# KiCad board Pokemon Devboard.kicad_pcb
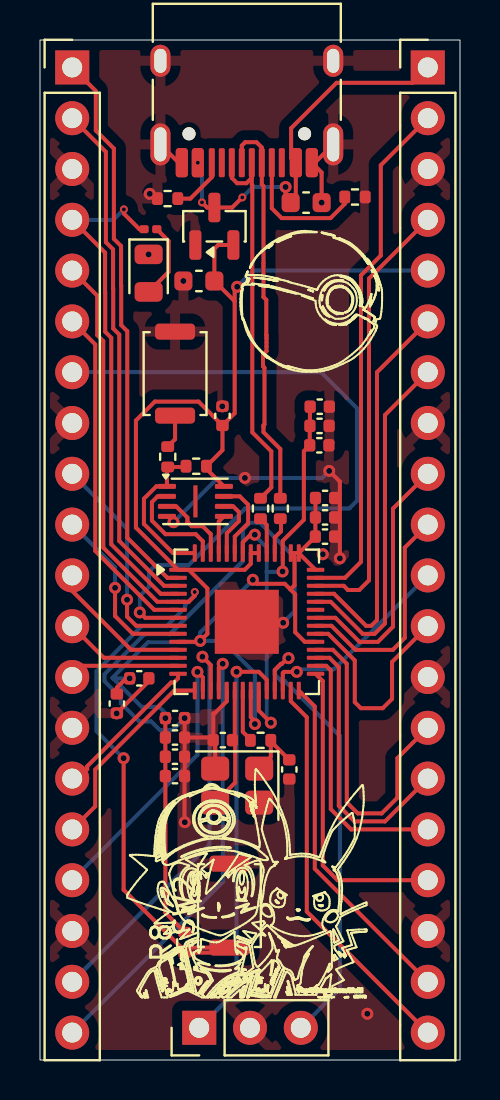
[diagram p0: board, top side]
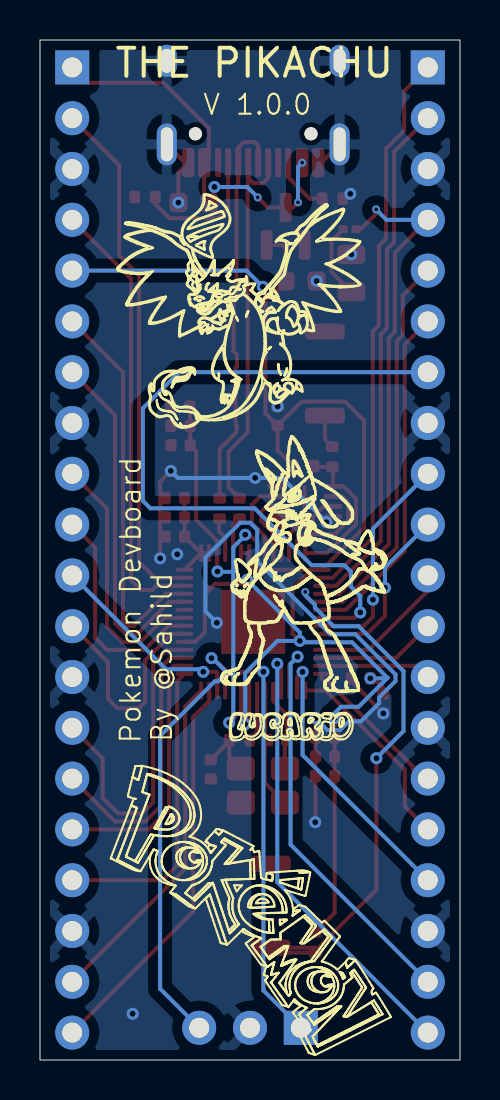
[diagram p1: board, bottom side, seen from below]

Outline 21 x 51 mm; copper layers: Top, Bottom. Coordinates in mm from the lower left corner of the outline.
Outline path: rectangle 0,51 21,0

## Placement (name value [footprint] x y rotation side)
C1  0.1uF  [C_0402_1005Metric]  6.75 16.12 0 top
C2  0.1uF  [C_0402_1005Metric]  6.75 14.19 0 top
C3  0.1uF  [C_0402_1005Metric]  4.96 19.08 0 top
C4  0.1uF  [C_0402_1005Metric]  14.25 27.13 0 top
C5  0.1uF  [C_0402_1005Metric]  3.84 17.82 270 top
C6  0.1uF  [C_0402_1005Metric]  14.25 26.17 0 top
C7  0.1uF  [C_0402_1005Metric]  6.75 17.09 0 top
C8  0.1uF  [C_0402_1005Metric]  14.25 28.1 0 top
C9  1uF  [C_0402_1005Metric]  6.75 15.16 0 top
C10  1uF  [C_0402_1005Metric]  13.98 31.71 0 top
C11  0.1uF  [C_0402_1005Metric]  13.99 32.67 0 top
C12  0.1uF  [C_0402_1005Metric]  13.97 30.74 0 top
C13  10uF  [C_0603_1608Metric]  13.31 42.87 0 top
C14  10uF  [C_0603_1608Metric]  7.94 38.95 180 top
C15  33pF  [C_0402_1005Metric]  9.14 15.99 0 top
C16  33pF  [C_0402_1005Metric]  12.46 14.53 90 top
C17  0.1uF  [C_0402_1005Metric]  9.12 32.2 90 top
D1  LED  [LED_0805_2012Metric]  5.43 39.34 270 top
J1  USB_C_Receptacle_USB2.0_14P  [USB_C_Receptacle_HRO_TYPE-C-31-M-12]  10.34 48.91 180 top
J2  LEFT_CONN  [PinHeader_1x20_P2.54mm_Vertical]  1.61 49.63 0 top
J3  RIGHT_CONN  [PinHeader_1x20_P2.54mm_Vertical]  19.39 49.63 0 top
J5  DEBUG_CONN  [PinHeader_1x03_P2.54mm_Vertical]  7.96 1.61 90 top
R1  5.1K  [R_0402_1005Metric]  15.75 43.15 0 top
R2  5.1K  [R_0402_1005Metric]  6.38 43.07 180 top
R3  27  [R_0402_1005Metric]  12.01 27.58 90 top
R4  27  [R_0402_1005Metric]  11.03 27.58 90 top
R5  1K  [R_0402_1005Metric]  11.03 15.98 180 top
R6  10K  [R_0402_1005Metric]  7.81 29.69 0 top
R7  1K  [R_0402_1005Metric]  6.39 30.16 90 top
R8  10K  [R_0402_1005Metric]  7.24 5.88 90 top
R9  220  [R_0201_0603Metric]  5.52 41.54 180 top
SW1  SW_Push  [SW_Push_SPST_NO_Alps_SKRK]  6.75 34.32 270 top
SW2  SW_Push  [SW_Push_SPST_NO_Alps_SKRK]  9.47 7.72 90 top
U1  RP2040  [QFN-56-1EP_7x7mm_P0.4mm_EP3.2x3.2mm]  10.34 21.91 0 top
U2  MCP1700x-330xxTT  [SOT-23]  8.72 41.69 90 top
U3  W25Q128JVS  [Winbond_USON-8-1EP_3x2mm_P0.5mm_EP0.2x1.6mm]  7.77 27.93 0 top
Y2  Crystal_GND24_WITH_4_PIN  [Crystal_SMD_3225-4Pin_3.2x2.5mm]  9.86 13.72 180 top

## Library data of the parts
C1-C17 = -: Description: Unpolarized capacitor; KiLib_Generator: SMD_2terminal_chip_molded; ki_fp_filters: C_*
D1 = -: Description: Light emitting diode; KiLib_Generator: SMD_2terminal_chip_molded; Sim.Pins: 1=K 2=A; ki_fp_filters: LED* LED_SMD:* LED_THT:*
J1 = -: Datasheet: https://www.usb.org/sites/default/files/documents/usb_type-c.zip; Description: USB 2.0-only 14P Type-C Receptacle connector; ki_fp_filters: USB*C*Receptacle*
J2 J3 = -: Description: Generic connector, single row, 01x20, script generated (kicad-library-utils/schlib/autogen/connector/); KiLib_Generator: connector/pin_header_socket; ki_fp_filters: Connector*:*_1x??_*
J5 = -: Description: Generic connector, single row, 01x03, script generated (kicad-library-utils/schlib/autogen/connector/); KiLib_Generator: connector/pin_header_socket; ki_fp_filters: Connector*:*_1x??_*
R1-R9 = -: Description: Resistor; KiLib_Generator: SMD_2terminal_chip_molded; ki_fp_filters: R_*
SW1 SW2 = -: Description: Push button switch, generic, two pins
U1 = -: Datasheet: https://datasheets.raspberrypi.com/rp2040/rp2040-datasheet.pdf; Description: A microcontroller by Raspberry Pi, Dual ARM Cortex-M0+, 133MHz, no flash, 264KB SRAM, 8 PIO state machines, VQFN-56; KiLib_Generator: package/no_lead; ki_fp_filters: *QFN*7x7mm?P0.4mm?EP3.2x3.2mm*
U2 = -: Datasheet: http://ww1.microchip.com/downloads/en/DeviceDoc/20001826D.pdf; Description: 250mA Low Quiscent Current LDO, 3.3V output, SOT-23; KiLib_Generator: package/gullwing; ki_fp_filters: SOT?23*
U3 = -: Datasheet: https://www.winbond.com/resource-files/w25q128jv_dtr%20revc%2003272018%20plus.pdf; Description: 128Mbit / 16MiB Serial Flash Memory, Standard/Dual/Quad SPI, 2.7-3.6V, SOIC-8; KiLib_Generator: package/no_lead; ki_fp_filters: *SOIC*5.3x5.3mm*P1.27mm*
Y2 = -: Description: Four pin crystal, GND on pins 2 and 4; KiLib_Generator: crystal_resonator_oscillator; ki_fp_filters: Crystal*

## Footprints (pads in the part's own frame, mm; a bottom-side part is the same pattern mirrored in y, then rotated)
C_0402_1005Metric
  rrect 0.56x0.62 smd: 1(-0.48,0) 2(0.48,0)
C_0603_1608Metric
  rrect 0.9x0.95 smd: 1(-0.775,0) 2(0.775,0)
Crystal_SMD_3225-4Pin_3.2x2.5mm
  rrect 1.4x1.2 smd: 1(-1.1,-0.85) 2(1.1,-0.85) 3(1.1,0.85) 4(-1.1,0.85)
LED_0805_2012Metric
  rrect 0.975x1.4 smd: 1(-0.938,0) 2(0.938,0)
PinHeader_1x03_P2.54mm_Vertical
  rect 1.7x1.7 hole 1: 1(0,0)
  round 1.7 hole 1: 2(0,-2.54) 3(0,-5.08)
PinHeader_1x20_P2.54mm_Vertical
  rect 1.7x1.7 hole 1: 1(0,0)
  round 1.7 hole 1: 2(0,-2.54) 3(0,-5.08) 4(0,-7.62) 5(0,-10.16) 6(0,-12.7) 7(0,-15.24) 8(0,-17.78) 9(0,-20.32) 10(0,-22.86) 11(0,-25.4) 12(0,-27.94) 13(0,-30.48) 14(0,-33.02) 15(0,-35.56) 16(0,-38.1) 17(0,-40.64) 18(0,-43.18) 19(0,-45.72) 20(0,-48.26)
QFN-56-1EP_7x7mm_P0.4mm_EP3.2x3.2mm
  rrect 1.29x1.29 smd: (-0.8,0.8) (-0.8,-0.8) (0.8,0.8) (0.8,-0.8)
  rrect 0.875x0.2 smd: 1(-3.438,2.6) 2(-3.438,2.2) 3(-3.438,1.8) 4(-3.438,1.4) 5(-3.438,1) 6(-3.438,0.6) 7(-3.438,0.2) 8(-3.438,-0.2) 9(-3.438,-0.6) 10(-3.438,-1) 11(-3.438,-1.4) 12(-3.438,-1.8) 13(-3.438,-2.2) 14(-3.438,-2.6) 29(3.438,-2.6) 30(3.438,-2.2) 31(3.438,-1.8) 32(3.438,-1.4) 33(3.438,-1) 34(3.438,-0.6) 35(3.438,-0.2) 36(3.438,0.2) 37(3.438,0.6) 38(3.438,1) 39(3.438,1.4) 40(3.438,1.8) 41(3.438,2.2) 42(3.438,2.6)
  rrect 0.2x0.875 smd: 15(-2.6,-3.438) 16(-2.2,-3.438) 17(-1.8,-3.438) 18(-1.4,-3.438) 19(-1,-3.438) 20(-0.6,-3.438) 21(-0.2,-3.438) 22(0.2,-3.438) 23(0.6,-3.438) 24(1,-3.438) 25(1.4,-3.438) 26(1.8,-3.438) 27(2.2,-3.438) 28(2.6,-3.438) 43(2.6,3.438) 44(2.2,3.438) 45(1.8,3.438) 46(1.4,3.438) 47(1,3.438) 48(0.6,3.438) 49(0.2,3.438) 50(-0.2,3.438) 51(-0.6,3.438) 52(-1,3.438) 53(-1.4,3.438) 54(-1.8,3.438) 55(-2.2,3.438) 56(-2.6,3.438)
  rect 3.2x3.2 smd: 57(0,0)
R_0201_0603Metric
  rrect 0.318x0.36 smd: (-0.345,0) (0.345,0)
  rrect 0.46x0.4 smd: 1(-0.32,0) 2(0.32,0)
R_0402_1005Metric
  rrect 0.54x0.64 smd: 1(-0.51,0) 2(0.51,0)
SOT-23
  rrect 1.475x0.6 smd: 1(-0.938,0.95) 2(-0.938,-0.95) 3(0.938,0)
SW_Push_SPST_NO_Alps_SKRK
  rrect 0.8x2 smd: 1(-2.1,0) 2(2.1,0)
USB_C_Receptacle_HRO_TYPE-C-31-M-12
  round 0.65 hole 0.65 unplated: (-2.89,2.6) (2.89,2.6)
  rrect 0.6x1.45 smd: A1(-3.25,4.045) A4(-2.45,4.045) A9(2.45,4.045) A12(3.25,4.045) B1(3.25,4.045) B4(2.45,4.045) B9(-2.45,4.045) B12(-3.25,4.045)
  rrect 0.3x1.45 smd: A5(-1.25,4.045) A6(-0.25,4.045) A7(0.25,4.045) A8(1.25,4.045) B5(1.75,4.045) B6(0.75,4.045) B7(-0.75,4.045) B8(-1.75,4.045)
  oval 1x2.1 hole 0.6x1.7: SH(-4.32,3.13) SH(4.32,3.13)
  oval 1x1.6 hole 0.6x1.2: SH(-4.32,-1.05) SH(4.32,-1.05)
Winbond_USON-8-1EP_3x2mm_P0.5mm_EP0.2x1.6mm
  rrect 0.16x1.29 smd: (0,0)
  rrect 0.9x0.25 smd: 1(-1.425,0.75) 2(-1.425,0.25) 3(-1.425,-0.25) 4(-1.425,-0.75) 5(1.425,-0.75) 6(1.425,-0.25) 7(1.425,0.25) 8(1.425,0.75)
  rect 0.2x1.6 smd: 9(0,0)

## Nets
+1V1: C10.1 C11.1 C12.1 U1.23 U1.45 U1.50
+3.3V: C1.1 C2.1 C3.1 C4.1 C5.1 C6.1 C7.1 C8.1 C9.1 C14.1 C17.1 J3.5 R6.2 R8.2 U1.1 U1.10 U1.22 U1.33 U1.42 U1.43 U1.44 U1.48 U1.49 U2.2 U3.8
GND: C1.2 C2.2 C3.2 C4.2 C5.2 C6.2 C7.2 C8.2 C9.2 C10.2 C11.2 C12.2 C13.2 C14.2 C15.1 C16.1 C17.2 D1.1 J1.A1 J1.A12 J1.B1 J1.B12 J1.SH J2.3 J2.8 J2.14 J2.18 J3.3 J3.8 J3.13 J3.18 J5.2 R1.2 R2.2 SW1.1 SW2.2 U1.19 U1.57 U2.1 U3.4 Y2.2 Y2.4
VBUS: C13.1 J1.A4 J1.A9 J1.B4 J1.B9 J3.1 U2.3
GPIO0: J2.1 U1.2
GPIO1: J2.2 U1.3
GPIO2: J2.4 R9.2 U1.4
GPIO3: J2.5 R8.1 SW2.1 U1.5
GPIO4: J2.6 U1.6
GPIO5: J2.7 U1.7
GPIO6: J2.9 U1.8
GPIO7: J2.10 U1.9
GPIO8: J2.11 U1.11
GPIO9: J2.12 U1.12
GPIO10: J2.13 U1.13
GPIO11: J2.15 U1.14
GPIO12: J2.16 U1.15
GPIO13: J2.17 U1.16
GPIO14: J2.19 U1.17
GPIO15: J2.20 U1.18
GPIO16: J3.20 U1.27
GPIO17: J3.19 U1.28
GPIO18: J3.17 U1.29
GPIO19: J3.16 U1.30
GPIO20: J3.15 U1.31
GPIO21: J3.14 U1.32
GPIO22: J3.12 U1.34
GPIO23: J3.10 U1.35
GPIO24: J3.9 U1.36
GPIO26_ADC0: J3.7 U1.38
GPIO27_ADC1: J3.6 U1.39
GPIO28_ADC2: J3.4 U1.40
GPIO29_ADC3: J3.2 U1.41
QSPI_SCLK: U1.52 U3.6
QSPI_SD1: U1.55 U3.2
QSPI_SD2: U1.54 U3.3
QSPI_SD3: U1.51 U3.7
QSPI_SS: R6.1 R7.1 U1.56 U3.1
RUN: J3.11 U1.26
SWCLK: J5.1 U1.24
SWDIO: J5.3 U1.25
USB_DN: J1.A7 J1.B7 R3.2
USB_DP: J1.A6 J1.B6 R4.2
WSPI_SD0: U1.53 U3.5
XIN: C15.2 U1.20 Y2.3
XOUT: R5.2 U1.21
Net-(C16-Pad2): C16.2 R5.1 Y2.1
Net-(D1-A): D1.2 R9.1
Net-(J1-CC1): J1.A5 R1.1
Net-(J1-CC2): J1.B5 R2.1
Net-(R7-Pad2): R7.2 SW1.2
Net-(U1-USB_DM): R3.1 U1.46
Net-(U1-USB_DP): R4.1 U1.47

Pads without a net: J1 A8 B8; U1 37; U3 9

## Via types
v1: diameter 0.6, hole 0.3, Top to Bottom, 35 vias
v2: diameter 0.4, hole 0.2, Top to Bottom, 5 vias

## Routing (per net, layer and track width the routed paths; a pad name or vN(x,y) marks a point on that pad's centre or on a via; arc(x,y) is an arc through that point)
+1V1: length 22.5
  Top w0.2: C11.1 13.5,32.66 C10.1 13.49,31.7 C12.1 13.19,30.44 13.19,27.01 12.14,25.96 U1.45 12.14,24.44 v1(12.13,24.43) ; v1(11.54,16.86) 10.94,17.47 U1.23 ; U1.50 10.14,25.88 10.53,26.28 10.73,26.28 v1(10.74,26.26)
  Bottom w0.2: 11.33,24.41 11.33,17.07 v1(11.54,16.86) ; 11.33,24.41 11.33,25.63 10.74,26.23 v1(10.74,26.26) ; 11.33,24.41 12.11,24.41 v1(12.13,24.43)
+3.3V: length 94.9
  Top w0.2: 9.73,37.94 C14.1 8.72,40.56 8.91,40.75 U2.2 ; 9.73,37.94 9.73,32.34 C17.1 ; 9.73,37.94 9.73,38.53 v1(9.86,38.66) ; C8.1 13.77,28.1 C4.1 13.77,27.12 C6.1 12.95,25.35 U1.43 ; U1.1 7.44,24.51 8.37,23.58 8.37,21.32 v1(8.01,20.96) 7.96,20.91 U1.10 ; U1.1 10.24,24.51 10.54,24.81 U1.49 U1.48 ; U1.1 4.8,26.62 4.8,31.97 5.74,32.92 7.93,32.92 C17.1 ; v1(4.48,19.08) 4.31,19.08 3.84,18.62 C5.1 ; 12.52,23.53 12.76,23.29 12.76,21.39 13.24,20.91 U1.33 ; 12.52,23.53 12.24,23.81 10.84,23.81 v1(10.64,24.01) ; 12.52,23.53 12.73,23.73 12.73,25.16 U1.44 U1.43 ; v1(10.74,16.8) 10.74,16.93 10.54,17.14 U1.22 ; U3.8 8.32,29.56 R6.2 9.12,30.49 C17.1 ; R8.2 6.27,7.36 C2.1 C9.1 6.27,16.12 C1.1 6.27,17.09 v1(6.27,17.09) ; U1.43 U1.42
  Bottom w0.2: 3.62,19.11 5.07,17.66 5.95,17.66 6.27,17.34 v1(6.27,17.09) ; 3.62,19.11 3.65,19.08 v1(4.48,19.08) ; 3.62,19.11 5.4,20.89 7.94,20.89 v1(8.01,20.96) ; v1(8.01,20.96) 9.13,20.96 10.74,19.35 10.74,16.8 v1(10.74,16.8) ; v1(8.01,20.96) 8.01,21.38 v1(10.64,24.01) ; J3.5 10.67,39.47 v1(9.86,38.66)
GND: length 58.4
  Top w0.2: Y2.2 8.76,15.9 C15.1 ; C5.2 5.44,18.94 C3.2 ; v1(6.68,26.89) 6.38,27.18 U3.4 ; v1(7.23,17.09) 7.23,16.13 C1.2 ; U1.57 10.39,21.86 v1(12.16,21.86) ; v1(9.12,32.68) 9.12,32.69 C17.2 ; v1(14.08,42.87) 14.08,44.38 J1.A1 13.75,44.87 J1.SH ; 7.24,14.19 7.24,15.15 7.24,15.16 7.23,15.17 C1.2 ; v1(5.49,43.31) 5.72,43.07 R2.2 ; 3.96,17.33 v1(3.83,17.33) ; C1.2 8.53,16.12 C15.1 ; v1(7.24,11.89) 7.23,11.9 C2.2 ; v1(14.46,29.45) 14.99,28.92 v1(14.99,25.08) ; J1.SH 6.94,44.87 J1.A12 ; U1.19 9.34,17.94 8.73,17.33 8.68,17.33 8.66,17.31 C15.1
  Bottom w0.2: v1(7.23,17.09) 6.63,16.49 5.99,16.49 5.56,16.93 4.95,16.93 4.04,17.85 4.04,18.13 3.22,18.94 3.22,19.28 5.24,21.29 6.49,21.29 10.14,24.94 10.14,26.51 10.49,26.86 10.99,26.86 12.73,25.13 12.73,22.43 v1(12.16,21.86) ; v1(6.68,26.89) 8.89,29.1 v1(10.25,29.1) 14.11,29.1 v1(14.46,29.45)
  vias: v1(5.43,40.28) v1(7.17,38.95) v1(14.14,25.29) v1(16.37,2.31)
VBUS: length 19.7
  Top w0.2: v2(10.12,43.13) 9.61,42.62 U2.3 8.35,42.62 v2(8.1,42.88) ; J3.1 18.62,48.86 14.83,48.86 12.56,46.59 12.56,45.1 J1.A4 12.79,43.13 C13.1 12.28,43.12 v1(12.28,43.65)
  Bottom w0.2: v2(8.1,42.88) 8.1,44.66 v2(7.89,44.87) ; v1(12.28,43.65) 10.64,43.65 v2(10.12,43.13)
GPIO0: length 28
  Top w0.2: J2.1 2.79,48.45 2.79,46.47 3.69,45.57 3.69,41.06 4.05,40.7 4.05,38.72 4.06,38.72 4.06,36.74 4.36,36.44 4.36,26.12 6.37,24.11 U1.2
GPIO1: length 26
  Top w0.2: J2.2 3.29,45.41 3.29,40.89 3.65,40.53 3.65,38.56 3.66,38.55 3.66,36.58 3.96,36.27 3.96,25.95 6.2,23.71 U1.3
GPIO2: length 25.7
  Top w0.2: v2(4.19,42.53) 4.19,42.32 4.97,41.54 R9.2 ; J2.4 3.25,40.37 3.25,38.39 3.26,38.38 3.26,36.41 3.56,36.11 3.56,25.78 6.04,23.31 U1.4
  Bottom w0.2: J2.4 3.68,42.01 v2(4.19,42.53)
GPIO3: length 47.5
  Top w0.2: v1(4.18,15.09) 4.18,8.51 7.07,5.62 SW2.1 9.22,5.37 R8.1 ; v2(7.74,23.4) 7.74,23.21 7.44,22.91 U1.5 5.87,22.91 3.16,25.62 3.16,35.94 2.86,36.24 2.86,38.22 J2.5
  Bottom w0.2: v1(4.18,15.09) 2.82,16.45 2.82,19.44 5.07,21.69 6.32,21.69 7.26,22.62 7.26,22.76 7.74,23.25 7.74,23.4 v2(7.74,23.4)
GPIO4: length 17.3
  Top w0.2: J2.6 2.76,35.78 2.76,25.45 5.71,22.51 U1.6
GPIO5: length 35.7
  Top w0.2: U1.7 5.26,22.11 v1(4.99,22.38)
  Bottom w0.2: v1(4.99,22.38) 4.99,23.2 5.45,23.66 5.45,24.41 5.78,24.74 7.42,24.74 10.27,27.59 15.48,27.59 15.86,27.96 15.86,32.59 14.05,34.39 J2.7
GPIO6: length 11
  Top w0.2: U1.8 4.81,21.71 4.35,22.17 v1(4.35,23.01)
  Bottom w0.2: v1(4.35,23.01) 4.35,26.57 J2.9
GPIO7: length 9
  Top w0.2: v1(3.75,23.61) 3.75,22.2 4.64,21.31 U1.9
  Bottom w0.2: v1(3.75,23.61) 3.75,24.63 J2.10
GPIO8: length 7.3
  Top w0.2: U1.11 4.55,20.51 1.61,23.45 J2.11
GPIO9: length 5.9
  Top w0.2: J2.12 3.19,20.11 U1.12
GPIO10: length 5.5
  Top w0.2: J2.13 2.17,19.71 U1.13
GPIO11: length 7.7
  Top w0.2: U1.14 6.9,19.08 6.69,18.87 6.55,18.87 2.36,14.68 2.36,14.54 1.89,14.07 J2.15
GPIO12: length 10.1
  Top w0.2: J2.16 2.76,12.68 2.76,14.52 6.71,18.47 U1.15
GPIO13: length 14.1
  Top w0.2: U1.16 8.14,19.14 v1(7.87,19.4)
  Bottom w0.2: v1(7.87,19.4) 7.87,15.25 J2.17
GPIO14: length 21.1
  Top w0.2: U1.17 8.54,19.75 v1(8.12,20.16)
  Bottom w0.2: J2.19 8.47,10.77 8.47,19.81 v1(8.12,20.16)
GPIO15: length 23
  Top w0.2: v1(9.14,19.81) 8.94,19.61 U1.18
  Bottom w0.2: v1(9.14,19.81) 9.14,8.9 J2.20
GPIO16: length 19.9
  Top w0.2: J3.20 13.34,7.42 13.34,17.14 12.54,17.94 U1.27
GPIO17: length 17.2
  Top w0.2: J3.19 13.74,9.56 13.74,17.67 U1.28
GPIO18: length 15.3
  Top w0.2: J3.17 14.88,8.99 14.14,9.73 14.14,18.95 U1.29
GPIO19: length 13.1
  Top w0.2: J3.16 15.56,11.53 14.54,12.55 14.54,19.48 14.31,19.71 U1.30
GPIO20: length 13.9
  Top w0.2: J3.15 17.25,11.93 15.72,11.93 14.94,12.71 14.94,19.65 14.48,20.11 U1.31
GPIO21: length 16
  Top w0.2: U1.32 14.64,20.51 15.34,19.81 15.34,12.88 15.89,12.33 17.08,12.33 17.87,13.12 17.87,15.09 J3.14
GPIO22: length 11.2
  Top w0.2: U1.34 14.41,21.31 15.74,19.98 15.74,17.89 16.04,17.59 17.14,17.59 17.6,18.06 17.6,19.9 J3.12
GPIO23: length 11.4
  Top w0.2: J3.10 18.24,25.62 18.24,21.11 17.64,20.5 15.78,20.5 14.57,21.71 U1.35
GPIO24: length 13.1
  Top w0.2: J3.9 17.65,27.57 17.65,21.66 16.89,20.91 15.97,20.91 14.77,22.11 U1.36
GPIO26_ADC0: length 17.8
  Top w0.2: U1.38 14.53,22.91 16.14,21.31 16.73,21.31 17.25,21.83 17.25,32.25 J3.7
GPIO27_ADC1: length 19.8
  Top w0.2: U1.39 14.7,23.31 16.31,21.7 16.56,21.7 16.85,21.99 16.85,34.39 J3.6
GPIO28_ADC2: length 22.2
  Top w0.2: J3.4 16.45,39.07 16.45,23.99 15.96,23.5 15.4,23.5 15.19,23.71 U1.40
GPIO29_ADC3: length 26.2
  Top w0.2: J3.2 17.04,44.74 17.04,40.22 16.05,39.23 16.05,24.91 15.25,24.11 U1.41
QSPI_SCLK: length 3.2
  Top w0.2: U1.52 9.34,26.34 9.95,26.95 9.95,27.4 9.66,27.68 U3.6
QSPI_SD1: length 5.4
  Top w0.2: U3.2 5.88,28.18 5.6,27.9 5.6,26.97 6.27,26.29 7.79,26.29 8.14,25.94 U1.55
QSPI_SD2: length 3.8
  Top w0.2: U3.3 6.81,27.68 7.37,27.12 7.37,26.91 7.59,26.69 8.13,26.69 8.49,26.34 8.5,26.34 8.54,26.29 U1.54
QSPI_SD3: length 4.1
  Top w0.2: U3.7 9.99,28.18 10.41,27.76 10.41,27.76 10.41,26.84 9.74,26.17 U1.51
QSPI_SS: length 7.7
  Top w0.2: 7.3,29.69 7.26,29.65 R7.1 6.35,29.61 U3.1 5.82,28.68 5.2,28.06 5.2,26.8 6.65,25.35 U1.56
RUN: length 10.1
  Top w0.2: U1.26 12.14,19.34 12.21,19.41 v1(12.84,19.41)
  Bottom w0.2: v1(12.84,19.41) 12.97,19.54 14.7,19.54 J3.11
SWCLK: length 20.8
  Top w0.2: U1.24 11.34,19.01 10.94,19.41 v1(9.83,19.41)
  Bottom w0.2: J5.1 9.83,3.48 v1(9.83,19.41)
SWDIO: length 23
  Top w0.2: v1(12.42,20.09) 12.38,20.09 12.09,19.81 12.04,19.81 11.74,19.51 U1.25
  Bottom w0.2: J5.3 15,3.57 15,16.2 12.26,18.94 12.09,18.94 11.73,19.29 11.73,19.46 12.37,20.09 v1(12.42,20.09)
USB_DN: length 20.1
  Top w0.2: J1.A7 10.09,45.72 10.26,45.89 10.82,45.89 11.09,45.62 J1.B7 11.09,43.78 11.17,43.69 11.17,38.15 11.31,38.01 11.31,36.25 11.32,36.24 11.32,35.44 11.15,35.27 11.15,34.69 11.2,34.64 11.2,34.62 11.22,34.6 11.22,31.78 11.17,31.73 11.17,31.39 12.01,30.55 R3.2
USB_DP: length 20.1
  Top w0.2: R4.2 11.56,28.62 11.56,30.43 10.62,31.38 10.62,43.75 10.59,43.78 J1.A6 10.59,44.11 10.32,43.84 9.86,43.84 9.59,44.11 J1.B6
WSPI_SD0: length 1.9
  Top w0.2: U3.5 8.94,26.93 U1.53
XIN: length 6.1
  Top w0.2: U1.20 9.74,16.11 C15.2 9.76,15.86 9.76,13.87 Y2.3
XOUT: length 2.6
  Top w0.2: U1.21 10.14,16.41 10.52,16.03 R5.2
Net-(C16-Pad2): length 3
  Top w0.2: C16.2 11.54,15.93 R5.1 11.54,15.15 Y2.1
Net-(D1-A): length 3.8
  Top w0.2: D1.2 6.43,39.4 6.43,40.95 R9.1
Net-(J1-CC1): length 6.8
  Top w0.2: R1.1 15.24,42.81 14.53,42.09 12.08,42.09 11.59,42.59 J1.A5
Net-(J1-CC2): length 2.9
  Top w0.2: J1.B5 8.59,44.14 7.52,43.07 R2.1
Net-(R7-Pad2): length 1.7
  Top w0.2: R7.2 6.75,31.04 SW1.2
Net-(U1-USB_DM): length 1.9
  Top w0.2: U1.46 11.74,26.12 12.05,26.44 12.05,27.03 12.01,27.06
Net-(U1-USB_DP): length 1.8
  Top w0.2: U1.47 11.34,26.75 11.03,27.06

## Copper pours and planes (outline as drawn; the poured copper is in the pictures)
GND on Top, Bottom: 0.17,51.41 -0.17,51.41 -0.26,-0.59 21.3,-0.63 21.29,51.41

## Text on the board
B.Silkscreen: V 1.0.0 | By @Sahild | Pokemon Devboard | THE PIKACHU
